# Allegro board RK_EVB1_RK3576_LP4XD200P132SD6_V12_20240530YWQ.brd (continued)
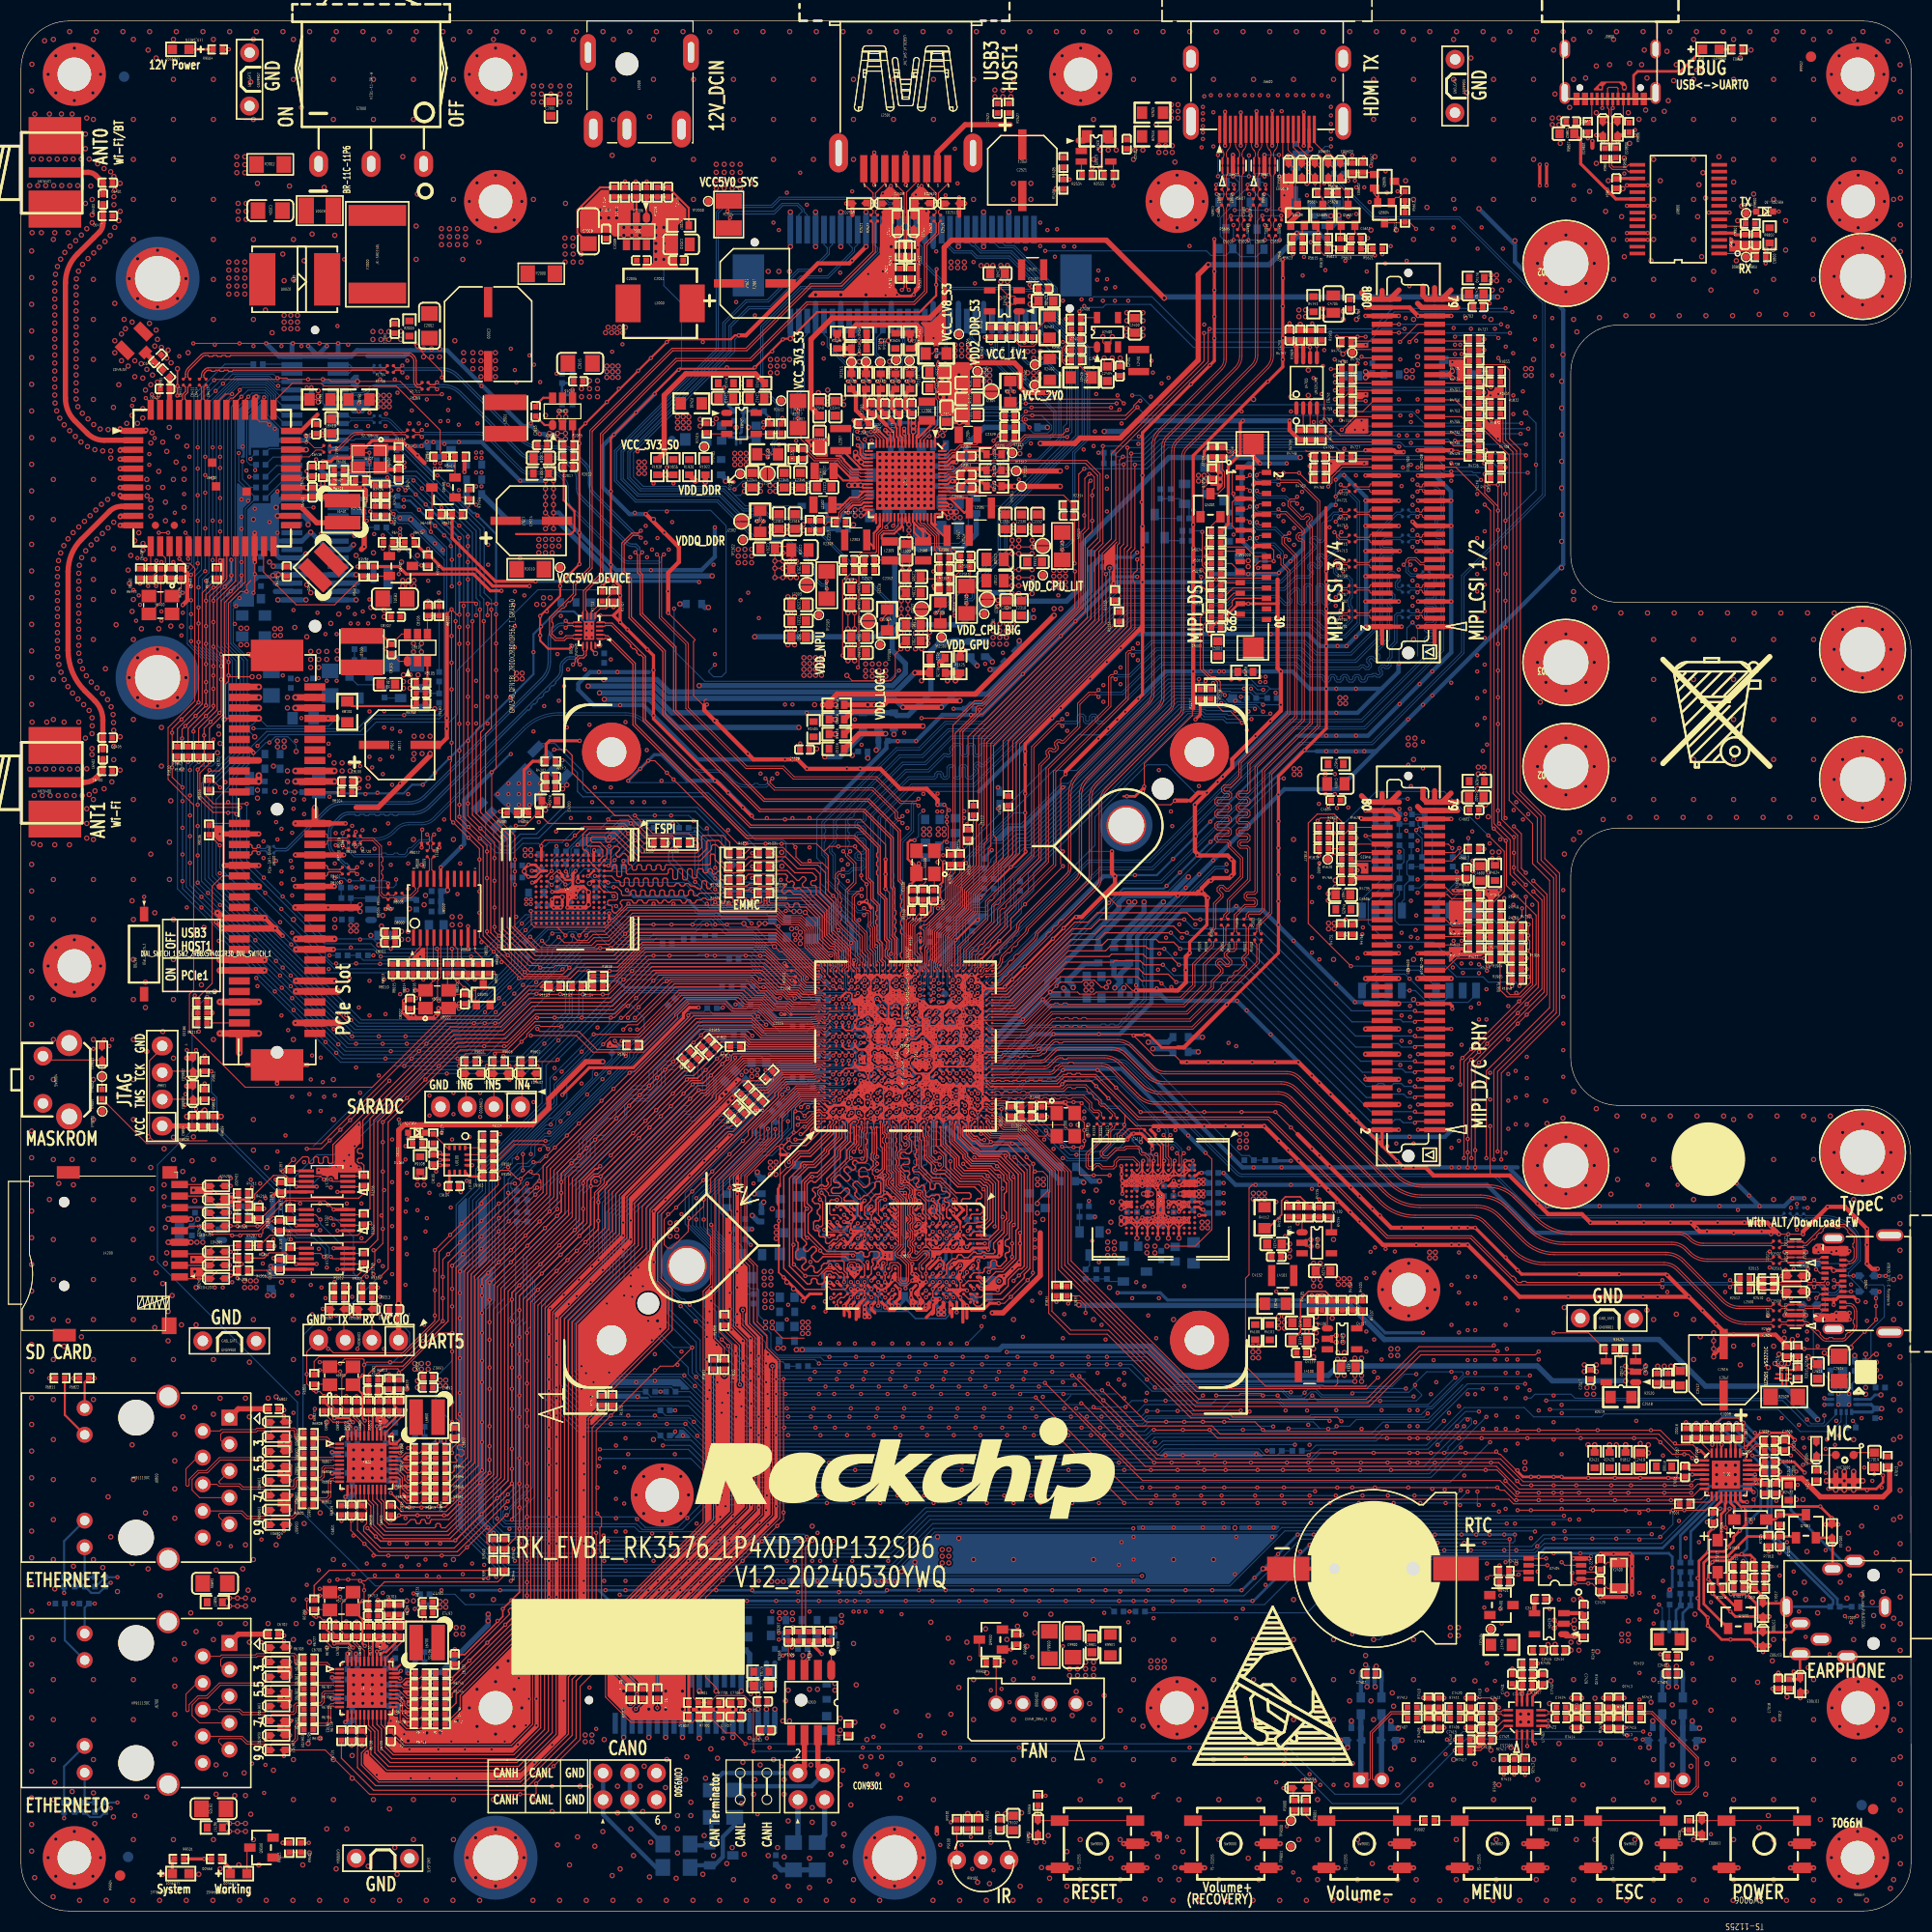
[diagram p0: board, top side]
## Routing (per net, layer and track width the routed paths; a pad name or vN(x,y) marks a point on that pad's centre or on a via; arc(x,y) is an arc through that point) (continued)
  TOP w0.152: 66.75,77.42 57.35,68.02 v1(57.35,65.57) v1(57.35,64.34) v1(55.01,61.99) v1(54.4,61.38) v1(53.14,60.13) v1(51.7,58.69) v1(50.4,57.39) 50.28,57.26 v1(50.28,54.94) v1(50.28,52.78) v1(50.28,50.62) v1(50.28,49.53) v1(50.28,47.19) v1(50.28,46.05) v1(50.28,44.01) v1(50.28,42.49) v1(50.28,39.31) v1(50.28,37.54) v1(50.28,36.39) v1(50.28,35) v1(50.28,33.35) v1(50.28,31.44) v1(50.28,29.92) v1(50.28,28.14) 50.28,26.56 v1(48.94,25.22) 48.37,24.65 v1(48.37,22.74) v1(48.37,20.2) 48.37,17.96 v1(48.09,17.68) 46.55,16.14 v1(46.07,16.14) v1(43.53,16.14) v1(40.99,16.14) v1(38.45,16.14) 37.18,16.14 v1(36.49,16.84) v1(35.22,18.11) ; U1000.2M9 87.49,83.99 ; U1000.2M9 87.54,84.04 88.09,84.04 U1000.2N9 ; U1000.2M9 U1000.2L9 86.25,83.99 86.22,83.96 ; U4100.C3 U4100.B2 ; U4100.C3 U4100.D3 ; U4100.C3 U4100.C2 ; U4100.B2 U4100.C2 ; U4100.B2 U4100.C1 U4100.C2 ; U4100.M5 U4100.N4 ; U4100.M5 U4100.N5 ; U4100.M5 U4100.M4 ; U4100.M5 106.28,69.05 ; U4100.N4 U4100.P5 ; U4100.N4 106.03,69.8 ; U4100.N4 U4100.N3 ; U4100.N4 U4100.N5 ; U4100.N4 105.53,69.79 105.53,69.79 ; U4100.N4 U4100.M4 ; U4100.N4 U4100.P4 ; 80.39,85.34 80.94,85.34 U1000.2B11 U1000.2C11 ; 108.78,66.05 U4100.G10 ; 108.78,66.05 v1(109.28,66.05) ; 108.78,66.05 U4100.G12 ; 108.78,66.05 U4100.F12 ; 108.78,66.05 U4100.H10 ; 108.78,66.05 108.28,66.05 ; 108.78,66.05 U4100.H12 ; U4100.G10 108.28,66.05 ; U4100.G10 U4100.H10 ; U4100.G10 v1(109.28,66.05) ; 79.14,86.81 79.39,86.57 79.44,86.57 ; 79.14,86.81 79.14,87.29 78.97,87.47 78.54,87.47 ; 79.14,86.81 79.14,86.63 79.34,86.43 ; U4100.P5 v1(104.89,69.05) ; U4100.P5 U4100.P4 ; U4100.P5 104.89,69.43 ; U4100.P5 U4100.N5 ; v1(106.78,69.05) U4100.K5 ; v1(106.78,69.05) 106.78,69.05 ; v1(106.78,69.05) 107.28,69.54 ; v1(106.78,69.05) 106.28,69.05 ; U4100.K5 107.53,69.3 ; U4100.K5 v1(106.78,69.55) ; U4100.K5 U4100.J5 ; U4100.K5 107.28,69.54 ; v1(55.16,123.38) 56.42,123.38 ; 105.78,70.05 106.03,69.8 ; 105.78,70.05 U4100.N2 106.03,70.3 ; 105.78,70.05 U4100.N3 ; 105.78,70.05 106.03,70.3 ; 106.03,69.8 U4100.M3 ; 106.03,69.8 106.78,69.05 ; U4100.J3 107.53,69.8 ; U4100.J3 U4100.K3 ; U4100.J3 v1(108.28,69.55) ; U4100.J3 107.78,69.55 ; U4100.J3 U4100.J2 ; U4100.J3 U4100.H3 ; 107.53,69.8 107.28,70.05 U4100.K3 ; 107.53,69.8 107.28,69.55 ; 107.53,69.8 107.78,69.55 ; U4100.F3 U4100.G3 ; U4100.F3 U4100.G2 ; U4100.F3 v1(108.78,69.55) ; U4100.F3 U4100.E2 ; U4100.F3 109.73,70.05 ; U4100.F3 109.28,69.6 ; U4100.G3 v1(108.28,69.55) ; U4100.G3 U4100.G2 ; U4100.G3 109.26,69.57 109.26,69.58 ; U4100.G3 U4100.H3 ; U4100.G3 v1(108.78,69.55) ; U4100.B11 U4100.B12 ; U4100.B11 U4100.C11 ; U4100.B11 U4100.C12 ; U4100.B12 U4100.C11 ; U4100.B12 U4100.C12 ; C6722.2 42.26,24.42 45.38,27.54 v1(45.38,27.63) 45.47,27.63 45.89,28.04 v1(45.89,28.77) v1(46.71,29.6) 47.47,30.36 v1(47.47,35) v1(47.47,36.39) v1(47.47,38.43) v1(47.47,40.71) v1(47.47,43.12) v1(47.47,47.06) v1(47.47,49.09) v1(47.47,50.87) v1(47.47,53.03) v1(47.47,54.68) v1(47.47,57.22) 47.47,58.58 v1(49.6,60.71) v1(51.4,62.5) v1(53.19,64.3) 54.26,65.37 54.26,69.02 v1(54.27,69.03) 54.27,69.6 54.63,69.96 v1(55.2,69.96) 56.56,71.32 56.56,71.32 v1(58.84,73.6) v1(60.93,75.69) v1(61.89,76.65) v1(63.1,77.86) v1(63.97,78.73) 64.09,78.85 64.98,78.85 v1(65.7,79.57) v1(66.8,80.67) v1(67.29,81.17) ; U4100.C11 U4100.D12 ; U4100.C11 U4100.C12 ; U4100.C11 110.39,66.05 ; U4100.D3 U4100.E2 ; U4100.D3 U4100.C2 ; U4100.D3 U4100.E3 ; 107.28,69.55 107.28,69.55 ; 107.28,69.55 106.78,69.55 ; 107.28,69.55 107.28,69.54 ; 107.28,69.55 U4100.J5 ; 107.28,69.55 107.78,69.55 ; 107.28,69.55 107.28,69.55 U4100.L3 ; 107.28,69.55 U4100.K3 ; 107.28,69.55 107.53,69.3 ; U4100.J5 108.17,68.66 v1(108.28,68.66) U4100.H5 ; U4100.J5 107.78,69.05 ; U4100.J5 v1(108.28,69.55) ; U4100.J5 107.78,69.55 ; U1000.1G24 U1000.1H24 ; v1(109.28,66.05) U4100.G12 ; v1(109.28,66.05) U4100.E12 ; v1(109.28,66.05) 109.78,66.05 ; v1(109.28,66.05) U4100.F12 ; v1(83.94,87.47) 83.35,87.47 v1(83.34,87.47) ; v1(83.94,87.47) 83.94,86.87 ; v1(83.94,87.47) 84.54,87.47 84.54,88.07 v1(85.14,88.07) 85.14,87.49 v1(85.12,87.47) 85.14,87.44 85.14,86.87 83.94,86.87 ; 83.94,86.87 82.74,86.87 ; 83.94,86.87 83.94,86.27 ; v1(33,36.46) v1(33.78,35.67) 34.23,35.23 41.29,35.23 v1(41.36,35.3) v1(43.86,37.79) 44.74,38.68 45.35,39.29 v1(45.35,39.31) 45.38,39.31 46.75,40.69 ; U1000.2V5 U1000.2U5 ; v1(46.75,37.27) 46.75,37.39 46.88,37.51 46.88,40.56 46.75,40.69 ; U4100.H5 107.78,69.55 ; U4100.H5 v1(108.28,69.55) ; U4100.H5 v1(108.78,69.55) ; U4100.H5 107.78,69.05 ; v1(110.28,65.93) 110.17,65.93 U4100.E12 ; v1(110.28,65.93) 110.17,66.05 ; v1(110.28,65.93) U4100.D12 ; v1(110.28,65.93) 110.39,65.93 U4100.C12 ; v1(110.28,65.93) 110.39,66.05 ; U1000.1L24 U1000.1K24 81.96,88.97 81.9,89.03 ; 107.78,69.55 v1(108.28,69.55) ; 107.78,69.55 107.78,69.55 ; v1(108.28,69.55) U4100.H3 ; v1(108.28,69.55) v1(108.78,69.55) ; 106.78,69.55 106.53,69.8 ; 106.78,69.55 106.28,69.05 ; 106.78,69.55 v1(106.78,69.55) ; 106.53,69.8 106.53,69.8 U4100.M3 ; 106.53,69.8 U4100.M4 ; 106.53,69.8 U4100.L3 ; U1000.2C6 81.71,82.11 82.22,82.11 U1000.2D6 U1000.2E6 ; U4100.H3 U4100.G2 ; U4100.H3 107.78,69.55 ; U4100.H3 U4100.J2 ; U4100.H3 v1(108.78,69.55) ; U4100.L2 U4100.M3 ; U4100.L2 U4100.K3 ; U4100.L2 U4100.L3 ; U4100.M3 106.03,70.3 ; U4100.M3 U4100.N3 ; U4100.M3 U4100.M4 ; U4100.M3 U4100.L3 ; U4100.E12 109.78,66.05 ; U4100.E12 U4100.F13 ; U4100.E12 U4100.F12 ; U4100.E12 U4100.D12 ; U4100.E12 U4100.D13 ; 109.78,66.05 U4100.D12 ; 109.78,66.05 U4100.F12 ; 109.78,66.05 110.17,66.05 ; v1(83.27,80.42) v1(83.27,81.07) v1(83.27,81.67) 83.22,81.67 83.16,81.72 82.62,81.72 ; U4100.G12 U4100.F12 ; U4100.G12 U4100.H13 ; U4100.G12 U4100.H12 ; U4100.G12 U4100.F13 ; U4100.G12 108.28,66.05 ; U4100.F12 U4100.F13 ; 72.05,67.25 72.05,68.78 72.18,68.91 ; U4100.H13 U4100.H12 ; U4100.H13 U4100.J12 ; U4100.N11 U4100.N12 ; U4100.N11 U4100.P12 ; U4100.N11 U4100.P11 ; U4100.N11 U4100.M12 ; U4100.N12 U4100.M12 ; U4100.N12 U4100.P11 ; U4100.N12 U4100.M13 ; U4100.N12 U4100.P12 ; 90.89,88.42 90.89,88.92 ; 94.39,62.1 v1(94.39,62.3) 94.4,62.31 94.4,63.56 v1(94.39,63.57) ; v1(94.4,61.16) 94.4,61.14 93.74,60.48 v1(93.61,60.48) ; 87.82,84.32 87.82,85.62 ; 85.24,68.67 84.55,69.36 84.5,69.36 84.41,69.44 84.24,69.44 v1(84.2,69.48) ; 107.78,69.05 107.53,69.3 ; U4100.P4 104.89,69.16 ; U4100.P4 U4100.N5 ; U4100.P4 105.53,69.79 ; U4100.P4 v1(104.89,69.55) ; U1000.2A11 80.05,85.29 79.8,85.54 ; v1(90.54,86.87) v1(91.14,86.87) 91.43,86.87 91.59,87.02 ; v1(90.54,86.87) v1(90.54,87.47) 89.94,87.47 ; v1(90.54,86.87) 89.94,86.87 89.94,87.47 ; 108.28,66.05 U4100.H12 ; 108.28,66.05 U4100.H10 ; 108.28,66.05 v1(107.78,66.05) ; 108.28,66.05 U4100.J12 ; 89.94,87.47 89.94,88.67 ; v1(102.53,80.08) 102.63,80.08 v1(104.3,78.42) 104.37,78.34 104.38,78.34 ; v1(107.78,66.05) U4100.J12 ; v1(107.78,66.05) U4100.H12 ; v1(107.78,66.05) U4100.H10 ; v1(107.78,66.05) U4100.K12 ; v1(107.78,66.05) 107.28,66.05 ; U4100.J12 U4100.H12 ; U4100.J12 U4100.K12 ; U4100.J12 U4100.K13 ; v1(73.09,73.47) 73.09,73.35 72.3,72.55 72.3,72.08 ; 81.32,84.97 82.62,84.97 ; U4100.P11 U4100.P12 ; U4100.K3 U4100.J2 ; U4100.K3 107.78,69.55 ; U4100.K3 v1(106.78,69.55) ; U4100.K3 U4100.L3 ; U1000.1AB20 U1000.1AC20 U1000.1AD20 U1000.1AE20 ; U4100.D12 U4100.C12 ; U4100.D12 U4100.D13 ; 82.77,88.64 82.74,88.61 82.74,87.47 ; 72.18,68.91 72.3,69.03 72.3,69.29 ; 72.18,68.91 v1(72.18,65.73) 72.18,60.8 72.57,60.41 ; v1(79.1,76.63) 79.13,76.65 79.13,76.68 79.14,76.7 v1(79.14,77.27) ; v1(91.12,83.1) 91.07,83.04 v1(91.07,81.72) v1(91.59,81.72) ; 107.78,69.55 107.53,69.3 ; 91.39,83.99 U1000.2V10 ; U1000.2V10 U1000.2U10 ; U1000.2V10 U1000.2V11 ; 86.24,85.99 86.79,85.99 ; v1(86.94,77.27) 87.54,77.27 ; v1(84.56,81.07) 84.56,81.07 v1(83.92,81.07) 83.27,81.07 ; U1000.1C16 78.54,83.87 79.14,83.87 U1000.1E16 ; v1(108.78,69.55) 109.23,69.55 109.26,69.58 ; U1000.2R7 U1000.2R8 ; U4100.C12 U4100.D13 ; U1000.1C9 78.54,80.27 79.14,80.27 U1000.1E10 ; v1(106.78,69.55) U4100.M4 ; v1(106.78,69.55) 106.78,69.05 ; v1(106.78,69.55) U4100.L3 ; v2(67.74,77.42) 67.73,77.42 v2(67.35,77.04) 58.07,67.75 v1(58.07,65.76) v1(58.07,63.96) 58.07,63.72 v1(57.35,63) 55.41,61.06 v1(55.41,61.05) 55.4,61.05 54.26,59.91 v1(54.26,59.9) v1(52.92,58.56) v1(52.17,57.8) 50.99,56.63 v1(50.99,56.46) v1(50.99,54.3) v1(50.99,52.01) v1(50.99,49.86) v1(50.99,48.84) v1(50.99,47.19) v1(50.99,45.16) v1(50.99,42.62) v1(50.99,40.08) v1(50.99,37.54) v1(50.99,35) v1(50.99,33.35) v1(50.99,29.92) v1(50.99,27.38) 50.99,25.44 v1(50.45,24.9) 49.09,23.54 v1(49.09,22.93) v1(49.09,20.21) v1(49.09,17.67) 49.09,17.62 v1(47.32,15.85) 46.86,15.39 v1(44.82,15.39) v1(42.28,15.39) v1(39.74,15.39) v1(37,15.39) 35.56,15.39 v1(35.23,15.73) ; 46.75,40.69 v1(46.75,40.71) v1(46.75,42.11) v1(46.75,44.01) v1(46.75,47.82) v1(46.75,49.73) v1(46.75,51.76) v1(46.75,53.92) v1(46.75,56.21) v1(46.75,58.24) 46.75,58.88 v1(47.46,59.59) v1(49.47,61.6) v1(51.27,63.39) v1(52.73,64.86) 53.54,65.67 v1(53.54,66.87) 53.54,69.32 v1(53.55,69.33) 53.55,69.54 54.67,70.67 54.89,70.67 v1(55.16,70.94) ; v1(64.55,78.18) v1(63.73,77.35) 55.79,69.42 55.79,69.24 54.98,68.42 v1(54.98,67.51) v1(54.98,65.73) 54.98,64.92 v1(53.76,63.7) v1(52.94,62.87) v1(52.05,61.98) v1(51.02,60.96) v1(49.22,59.16) 48.19,58.13 v1(48.19,55.06) v1(48.19,52.4) v1(48.19,50.24) v1(48.19,47.7) v1(48.19,46.17) v1(48.19,42.62) v1(48.19,40.46) v1(48.19,39.19) v1(48.19,37.54) v1(48.19,36.52) v1(48.19,34.87) v1(48.19,33.35) v1(48.19,31.31) v1(48.19,30.04) 48.19,29.33 v1(46.12,27.27) v1(44.41,25.55) v1(42.7,23.84) v1(40.98,22.12) ; 89,86.18 88.51,86.18 88.44,86.24 ; 89,86.18 89.03,86.18 ; 89,86.18 88.61,86.57 U1000.1Y20 88.79,86.22 U1000.2P12 ; U1000.AL8 98.93,78.52 v1(99.16,78.75) 99.46,79.04 101.92,79.04 v1(102.4,78.56) v1(103.56,77.4) ; 91.45,83.4 91.45,83.93 U1000.2V9 91.07,84.32 90.42,84.32 ; U1000.2U4 U1000.2V4 ; 84.27,86.59 84.82,86.59 ; v1(64.06,82.71) 63.93,82.71 v1(62.13,80.91) v1(61.34,80.12) v1(60.58,79.36) v1(59.82,78.6) v1(58.93,77.71) v1(57.91,76.69) v1(56.71,75.49) v1(54.67,73.45) v1(53.87,72.65) v1(53.15,71.93) v1(52.43,71.21) 51.72,70.5 51.72,70.49 51.71,70.49 51.45,70.23 v1(51.45,69.41) v1(51.45,68.4) 51.45,66.59 v1(51.05,66.19) v1(49.9,65.04) v1(48.22,63.36) v1(46.65,61.79) 44.75,59.89 44.65,59.89 v1(44.62,59.86) v1(44.62,58.21) v1(44.62,56.08) v1(44.62,54.4) v1(44.62,51.76) v1(44.62,49.73) v1(44.62,46.17) v1(44.62,44.27) v1(44.62,42.97) 44.62,41.73 v1(44.62,41.73) 44.62,41.67 v1(43.76,40.81) v1(41.8,38.85) 40.63,37.69 v1(40.3,37.69) v1(37.76,37.69) v1(36,37.69) 35.51,37.19 v1(35.23,37.19) ; 89.77,80.42 89.77,80.42 v1(89.77,81.07) ; 89.77,80.42 U1000.2R4 ; 89.77,80.42 91.46,80.42 91.59,80.29 ; U4100.N3 105.53,69.79 ; v1(89.12,84.97) 89.12,84.32 ; U1000.1AB24 U1000.1AC24 ; U4100.L12 U4100.M13 ; U4100.L12 107.28,66.05 ; U4100.L12 U4100.K13 ; U4100.L12 U4100.K12 ; U4100.L12 v1(106.78,66.05) ; U4100.L12 U4100.M12 ; U4100.M13 U4100.M12 ; 110.17,66.05 110.39,66.05 ; 89.77,84.32 v1(89.77,83.67) ; 109.26,69.58 109.28,69.6 ; U1000.2G4 U1000.2F4 ; 81.32,85.62 80.02,85.62 ; 107.28,66.05 U4100.K12 ; 107.28,66.05 v1(106.78,66.05) ; U4100.K13 U4100.K12 ; U1000.2R4 89.49,80.79 89.49,81.34 U1000.2R5 v1(89.77,81.07) ; U1000.2R4 v1(89.77,81.07) ; U1000.2R4 89.19,80.5 89.19,80.42 ; U4100.M12 v1(106.78,66.05) ; U1000.2F6 83.51,81.96 83.02,81.96 ; 79.8,85.92 79.82,85.94 U1000.2A12 U1000.2B12 U1000.2C12 ; 86.52,84.32 86.52,84.97 85.87,84.97 ; 86.52,84.32 85.87,84.32 ; 86.52,84.32 87.12,84.32 87.14,84.29 ; 80.71,87.24 80.71,87.7 ; U4100.K12 v1(106.78,66.05) ; U1000.2L8 U1000.2L7 ; v1(89.77,84.97) v1(89.77,85.62) 89.77,86.09 89.94,86.27 91.14,86.27 ; v1(90.54,77.27) v1(90.54,76.67) ; v1(93.17,62.43) v1(93.17,63.57) ; U4100.E2 U4100.E1 ; U4100.E2 U4100.E3 ; v1(89.77,83.02) 89.77,83.67 ; 89.49,83.39 89.49,83.94 ; U4100.N5 U4100.M4 ; U1000.2V2 U1000.2V1 91.39,78.22 ; U1000.1L21 U1000.1M21 ; 85.59,85.34 85.59,85.99 ; 109.28,69.6 109.73,70.05 ; v1(108.87,71.45) 108.78,71.54 108.78,72.99 108.02,73.74 ; v1(65.21,80.1) 64.43,79.32 63.54,79.32 v1(63.41,79.19) v1(62.08,77.86) v1(60.49,76.27) v1(59.48,75.26) 59.41,75.19 v1(58.3,74.08) 58.28,74.08 v1(56.16,71.96) ; U1000.2N12 U1000.2M12 87.44,85.99 86.89,85.99 ; U1000.1G20 U1000.1G21 ; 89.44,83.99 U1000.2R10 U1000.2R11 ; 90.42,82.37 89.12,82.37 ; 80.94,86.87 80.94,87.47 v1(81.54,87.47) ; 109.73,70.05 U4100.E3 ; U1000.2G10 83.99,84.39 ; 88.14,76.67 87.54,76.67 ; v1(80.94,77.92) v1(80.94,77.27) 80.34,77.27 ; 83.54,81.99 83.54,81.44 ; 83.58,87.7 83.11,87.7 ; 79.74,86.87 80.29,86.87 v1(80.34,86.82) ; 85.87,81.72 v1(86.51,81.72) ; 88.19,85.99 88.74,85.99 ; U1000.2U3 U1000.2V3 ; v1(50.34,66.62) v1(49.39,65.67) v1(48.05,64.33) v1(46.65,62.93) v1(45.51,61.79) 45.5,61.79 45,61.29 45,61.28 v1(44.49,60.77) 43.9,60.18 v1(43.9,59.51) v1(43.9,58.62) v1(43.9,56.97) v1(43.9,55.06) v1(43.9,52.4) v1(43.9,50.36) v1(43.9,46.55) v1(43.9,44.65) v1(43.9,41.98) 43.9,41.97 v1(41.09,39.16) 40.39,38.46 v1(38.93,38.46) v1(37,38.46) 36.58,38.46 v1(35.22,39.82) ; U1000.1E24 U1000.1F24 ; U1000.1E13 79.14,82.07 78.54,82.07 U1000.1C13 ; v2(14.9,146.88) v1(14.9,145.23) 14.9,144.34 v1(14.88,144.33) ; 83.92,84.32 83.27,84.32 ; 89.67,88.94 89.67,88.39 ; 91.09,79.09 91.09,78.49 ; U1000.2U7 U1000.2V7 ; 91.42,88.39 90.87,88.39
  TOP w0.178: U1000.2L4 86.91,80.81 86.91,81.33 ; U1000.2M6 87.54,82.09 88.09,82.09 U1000.2N6 ; 82.89,83.39 82.89,83.94 ; U3800.G1 87.23,66.83 87.23,67.23 86.84,67.62 v1(86.84,67.76) ; 87.82,80.42 87.17,80.42 87.17,80.42 v1(87.17,81.03) ; 87.82,80.42 v1(87.82,81.04) ; 87.82,80.42 89.77,80.42 ; 90.42,80.42 90.42,80.42 ; v1(87.16,81.72) 87.17,81.71 87.17,81.07 ; 81.3,80.4 80.03,80.4 ; v1(82.14,86.87) 82.74,86.87 ; 84.54,86.87 84.54,87.47 ; v1(80.67,83.02) v1(80.67,84.32) v1(81.32,84.32) 81.32,84.97 ; v1(84.55,83.02) 84.55,83.02 85.21,83.02 85.22,83.02 ; v1(81.32,80.42) v1(81.97,80.42) v1(82.62,80.42) v1(83.27,80.42) v1(83.92,80.42) v1(84.57,80.42) 84.57,81.06 v1(84.56,81.07) ; 85.23,79.75 85.88,79.75 ; U3800.T1 81.41,66.86 81.41,67.72 81.7,68.01 81.85,68.01 81.86,68.02 81.96,68.02 82.29,68.35 v1(82.29,68.41) 82.14,68.56 82.14,69.61 ; U1000.1P22 U1000.1P21 ; 88.47,82.37 v1(88.47,81.72) ; 87.82,82.37 87.17,82.37 87.17,82.97 v1(87.14,82.99) ; 82.62,86.39 82.62,84.97 82.62,84.97 ; 85.87,84.32 85.87,86.27 ; 85.87,84.32 85.22,84.32 v1(85.22,84.32) 84.57,84.32 v1(84.53,84.36) ; 85.87,84.32 85.87,83.67 ; U1000.1K21 U1000.1L21 ; v1(80.64,79.12) 80.67,79.14 80.67,79.77 v1(80.64,79.79) ; 82.14,69.61 81.9,69.85 v1(81.45,69.85) ; 82.14,69.61 82.14,69.95 v1(82.24,70.05) ; 85.88,79.75 U1000.2K2 ; 85.88,79.75 86.5,79.75 ; v1(83.22,84.93) 83.23,84.93 83.27,84.97 83.92,84.97 ; 86.91,80.16 86.91,80.68 ; v1(82.61,82.37) 81.97,82.37 ; 83.92,84.97 83.92,86.24 83.94,86.27 ; 83.92,84.97 83.92,84.97 ; v1(89.77,84.97) 89.77,84.32 89.77,84.32 90.42,84.32 ; 89.11,84.32 88.47,84.32 88.47,84.32 87.84,84.32 87.83,84.3 ; U1000.2G10 83.99,84.9 ; v1(81.32,82.37) v1(81.96,82.37) ; 80.67,81.72 80.67,80.42 ; v1(89.77,83.02) 89.77,82.37 ; 87.17,83.02 87.17,83.67
  TOP w0.196: U1000.2K8 U1000.2L8 ; 89.12,82.37 87.82,82.37 ; 85.87,83.67 87.12,83.67 v1(87.14,83.69)
  TOP w0.203: U1000.2K2 85.92,79.17 ; 85.92,79.17 85.92,79.6 85.77,79.75 ; 85.92,79.17 U1000.2J1 85.29,78.54 v1(85.25,78.54) ; 85.92,79.17 85.92,79.07 U1000.2K1 ; U4100.M13 U4100.M14 v2(106.28,64.08) ; v1(52.49,120.47) 52.24,120.21 50.21,120.21 49.44,120.98 v1(49.44,121.48) v1(49.44,123.34) 51.35,125.24 v1(51.35,126.18) 51.35,126.44 v1(53.18,128.27) v1(53.18,131.26) v1(53.18,139.77) 53.18,141.1 v1(53.76,141.68) v1(55.79,143.71) v1(58.78,146.69) v1(59.98,147.9) v1(61.51,149.42) 61.77,149.69 67.62,149.69 67.99,150.06 v1(68.37,150.06) ; v1(81.54,75.47) U1000.1H2 v1(80.94,75.47) U1000.1H1 v1(81.54,75.47) ; v1(81.54,75.47) U1000.1J2 ; U1000.1AA4 89.34,76.67 ; U1000.1AA4 U1000.1AB5 89.94,77.87 U1000.1AC5 ; U1000.1AA4 88.78,76.71 88.74,76.75 v1(88.74,76.76) ; U1000.1AB2 89.34,76.07 ; U1000.1AB2 v1(89.94,75.47) ; U1000.1AB2 89.34,75.47 ; 80.61,82.31 U1000.2A6 U1000.2B6 80.72,82.31 80.61,82.31 ; 80.61,82.31 U1000.2B7 ; v1(87.92,99.89) 87.8,99.77 87.8,98 87.54,97.75 v1(87.54,97.61) v1(87.54,96.34) 86.96,96.34 C1100.2 86.65,96.04 86.65,95.25 86.11,94.71 v1(85.88,94.71) ; C6804.2 v1(34.08,49.05) ; 97.86,76.92 99.31,76.92 99.34,76.89 v1(99.48,77.03) 99.44,77.07 99.27,77.07 ; 97.86,76.92 97.74,77.03 ; 97.86,76.92 97.98,77.03 ; 167.73,51.63 168.25,52.14 v2(168.32,52.14) ; 167.73,51.63 U2501.C2 167.12,52.14 v2(167.05,52.14) ; 167.73,51.63 167.73,52.09 v2(167.68,52.14) ; 104.97,106.16 v1(105.32,106.16) ; U1000.2V4 U1000.2U3 ; R6713.2 v1(34,29.63) ; U1000.A29 75.8,90.07 v1(75.66,90.21) ; v1(83.94,89.17) 84.04,89.17 ; 84.04,89.17 84.64,89.17 ; 84.04,89.17 U1000.1N24 ; v1(82.62,80.42) U1000.2E3 C1207.2 v1(83.27,80.42) U1000.2F4 v1(83.92,80.42) ; U4100.J2 U4100.J1 107.78,71.35 v1(107.87,71.45) ; v1(36.9,41.2) R6828.1 ; v1(91.45,90.57) 91.45,90.65 v1(93.16,92.37) ; 86.64,82.89 86.64,83.14 ; 86.64,82.89 86.84,82.69 ; 86.64,82.89 U1000.2K8 ; 86.64,83.14 U1000.2L8 ; 86.64,83.14 86.39,83.14 ; v1(98.28,92.59) v1(99.29,93.61) 100.36,94.68 v1(100.5,94.68) ; U1000.2V1 91.09,79.09 v1(91.09,79.19) 91.14,79.19 91.39,79.44 ; v1(85.54,67.63) 85.55,67.63 85.92,67.25 85.92,66.83 U3800.J1 ; U4100.L2 U4100.L1 106.78,71.36 106.87,71.45 v1(106.87,71.45) ; U1000.1N2 v1(84.52,75.49) 84.54,75.47 U1000.1P2 v1(85.14,75.47) ; R6702.2 v1(30.98,27.58) ; 76.79,76.62 77.29,76.62 ; R6725.1 37.02,20.7 ; v1(91.14,86.87) U1000.1AE20 ; v1(91.14,86.87) U1000.1AE21 ; v1(91.14,86.87) U1000.1AD20 ; U1000.2F6 83.59,82.04 83.9,82.36 v1(83.91,82.36) 83.91,82.36 84.24,82.69 U1000.2G7 84.24,82.7 84.54,83 84.54,83.01 v1(84.55,83.02) ; U1000.1N24 U1000.T28 84.29,89.52 84.64,89.17 ; U1000.1N24 84.54,88.67 ; U1000.1N24 U1000.1P24 ; v1(89.94,75.47) U1000.1AC1 ; v1(89.94,75.47) 90.45,75.47 v1(90.5,75.42) 90.5,75.51 U1000.1AC2 v1(89.94,75.47) ; R6720.1 v1(35.05,27.58) ; v1(32.55,29.54) 32.49,29.54 Y6700.2 32.52,27.77 32.52,25.47 v1(32.74,25.25) ; R6818.1 v1(36.03,49.05) ; v1(88.74,76.76) 88.65,76.76 U1000.1Y4 v1(88.18,76.71) 88.18,76.63 U1000.1Y3 88.7,76.63 88.7,76.73 v1(88.74,76.76) ; U1000.AK25 91.7,87.62 91.66,87.62 91.61,87.57 ; v2(89.33,146.31) 89.33,145.96 89.63,145.66 C2326.2 89.63,145.41 89.44,145.21 89.44,144.84 v2(89.39,144.79) 89.44,144.74 89.44,144.21 C2328.2 ; R6718.1 v1(36.03,27.58) ; v1(85.1,76.69) 85.1,76.71 U1000.1P4 ; 84.64,89.17 U1000.1P24 ; C6704.2 v1(34.08,27.58) ; C6821.2 v1(31.5,37.2) ; v1(161.97,44.39) 161.93,44.36 U7000.26 ; C2327.2 89.31,142.81 89.31,143.68 C2328.2 ; C2327.2 89.44,142.29 89.44,141.79 v2(89.39,141.74) ; C2327.2 89.94,142.8 89.94,143.7 C2328.2 ; U4100.K13 U4100.K14 v2(107.28,64.08) ; v1(79.98,79.09) 80.04,79.09 U1000.2A1 ; R6723.1 37.02,18.77 ; U4100.G2 U4100.G1 108.78,71.35 v1(108.87,71.45) ; U1000.1AC5 v1(90.54,77.27) U1000.1AC4 ; U1000.1AC5 90.03,77.35 v1(89.95,77.35) 89.95,77.26 U1000.1AC4 ; U1000.2D6 81.97,82.37 v1(81.96,82.37) 81.96,82.36 U1000.2C6 v1(81.32,82.37) ; U1000.2D6 82.29,82.04 v1(82.61,81.72) 82.94,81.39 U1000.2E5 ; U1000.2D6 82.29,82.04 v1(82.61,82.37) ; 97.74,77.03 97.7,77.07 96.73,77.07 v1(96.72,77.07) ; 97.74,77.03 97.98,77.03 ; 92.96,98.09 94.27,99.39 v1(94.27,99.42) 94.3,99.42 95.67,100.79 v1(95.67,100.91) 95.63,100.95 v1(95.63,104.59) v1(95.63,106.43) ; v1(85.61,86.64) 84.92,86.64 ; U1000.2N6 v1(88.47,81.72) ; v1(54,98.57) 54.05,98.57 U4000.C4 ; R6801.2 v1(30.98,49.05) ; C6801.2 v1(31.96,49.04) ; 87.54,77.87 U1000.1W6 87.54,78.47 U1000.1V6 ; v1(32.55,51) 32.49,51 Y6800.2 32.52,49.23 32.52,46.93 v1(32.74,46.71) ; 99.27,77.07 Y1300.4 ; 99.27,77.07 99.23,77.03 97.98,77.03 ; R6732.1 37.02,17.8 ; R2008.2 v1(57.52,164.71) ; 91.07,81.07 91.46,81.07 91.59,80.94 ; 85.87,83.67 85.71,83.51 ; v1(89,92.45) 89.03,92.45 90.96,94.38 v1(91.1,94.38) ; v1(109.87,71.45) 109.78,71.35 U4100.E1 ; U1000.1AC21 v1(90.54,86.87) ; v1(91.73,62.28) 91.71,62.3 90.9,62.3 90.51,61.91 ; R4106.2 v1(123.9,58.64) ; 81.52,78.45 81.52,78.44 U1000.1H6 ; 87.54,76.67 U1000.1W3 88.14,76.67 ; v2(110.28,64.08) U4100.D14 U4100.D13 ; v1(31.62,46.55) 31.24,46.93 v1(29.84,46.93) 29.38,47.4 29.38,47.97 28.88,48.47 R6827.1 v1(28.88,49.05) ; C6800.2 v1(29.99,49.04) ; 83.27,84.32 83.22,84.37 83.22,84.92 ; 91.59,79.9 U1000.2V3 ; 85.22,83.02 85.54,83.34 U1000.2J8 85.61,83.41 ; R6728.1 37.02,19.73 ; v1(31.62,25.09) 31.24,25.47 v1(29.84,25.47) 29.38,25.94 29.38,26.51 28.88,27.01 R6727.1 v1(28.88,27.58) ; v2(108.28,64.08) U4100.H14 U4100.H13 ; R1712.1 v1(55.36,126.18) 56.17,127 v1(56.17,128.21) v1(56.17,135.2) 56.17,140.31 v1(56.48,140.61) v1(58.57,142.71) v1(60.35,144.49) 60.35,144.58 62.54,146.77 v1(62.63,146.77) 62.75,146.88 69.76,146.88 72.62,149.74 v2(73.28,149.74) 75.8,152.27 85.58,152.27 87.16,153.86 v1(87.16,154.88) 87.16,156.33 v1(87.2,156.36) ; C6701.2 v1(31.96,27.57) ; v1(85.11,89.24) 85.11,89.24 U1000.1P24 ; v1(36.9,39.27) R6832.1 ; R6813.2 v1(34,51.09) ; U1000.2E8 v1(82.62,83.67) U1000.2E9 ; v1(92.93,74.57) 92.59,74.57 U1000.AL1 ; v1(36.9,40.23) R6823.1 ; 91.59,81.2 U1000.2V5 v1(91.07,81.72) ; v1(77.94,79.67) U1000.1C9 ; 108.02,73.89 108.02,73.74 ; U1000.A1 75.59,74.27 v1(75.58,74.27) ; C6700.2 v1(29.99,27.57) ; 90.27,76.94 U1000.1AC4 ; 86.55,79.09 87.14,79.09 87.14,79.09 ; U1000.1W5 87.54,77.27 ; U1000.1U6 87.02,78.55 v1(87.14,78.55) ; v2(109.28,64.08) U4100.F14 U4100.F13 ; v1(111.6,71.46) 110.89,71.46 v1(110.87,71.45) 110.78,71.35 U4100.C1 ; U1700.18 v2(55.11,120.54) ; R6820.1 v1(35.05,49.05) ; C6722.2 v1(41.32,24.93) ; 89.28,158.44 v2(89.28,158.51) ; v1(36.9,43.13) R6836.1 ; C6820.2 v1(35.23,37.19) ; R2009.2 v1(59.59,164.71) ; C6720.2 v1(35.23,15.73) ; U4000.N5 U4000.P6 ; R6736.1 37.02,21.66 ; C6721.2 v1(31.5,15.74) ; 85.59,59.85 85.59,59.29 ; C2012.2 v1(58.56,164.71) ; 85.51,58.48 85.51,59.21 ; R4107.2 v1(127.78,58.64) ; C8106.2 v1(38.77,124.79) ; 85.57,58.42 85.57,57.67 ; v1(36.9,42.16) R6825.1